# Altium PCB spider-nest.PcbDoc (continued)
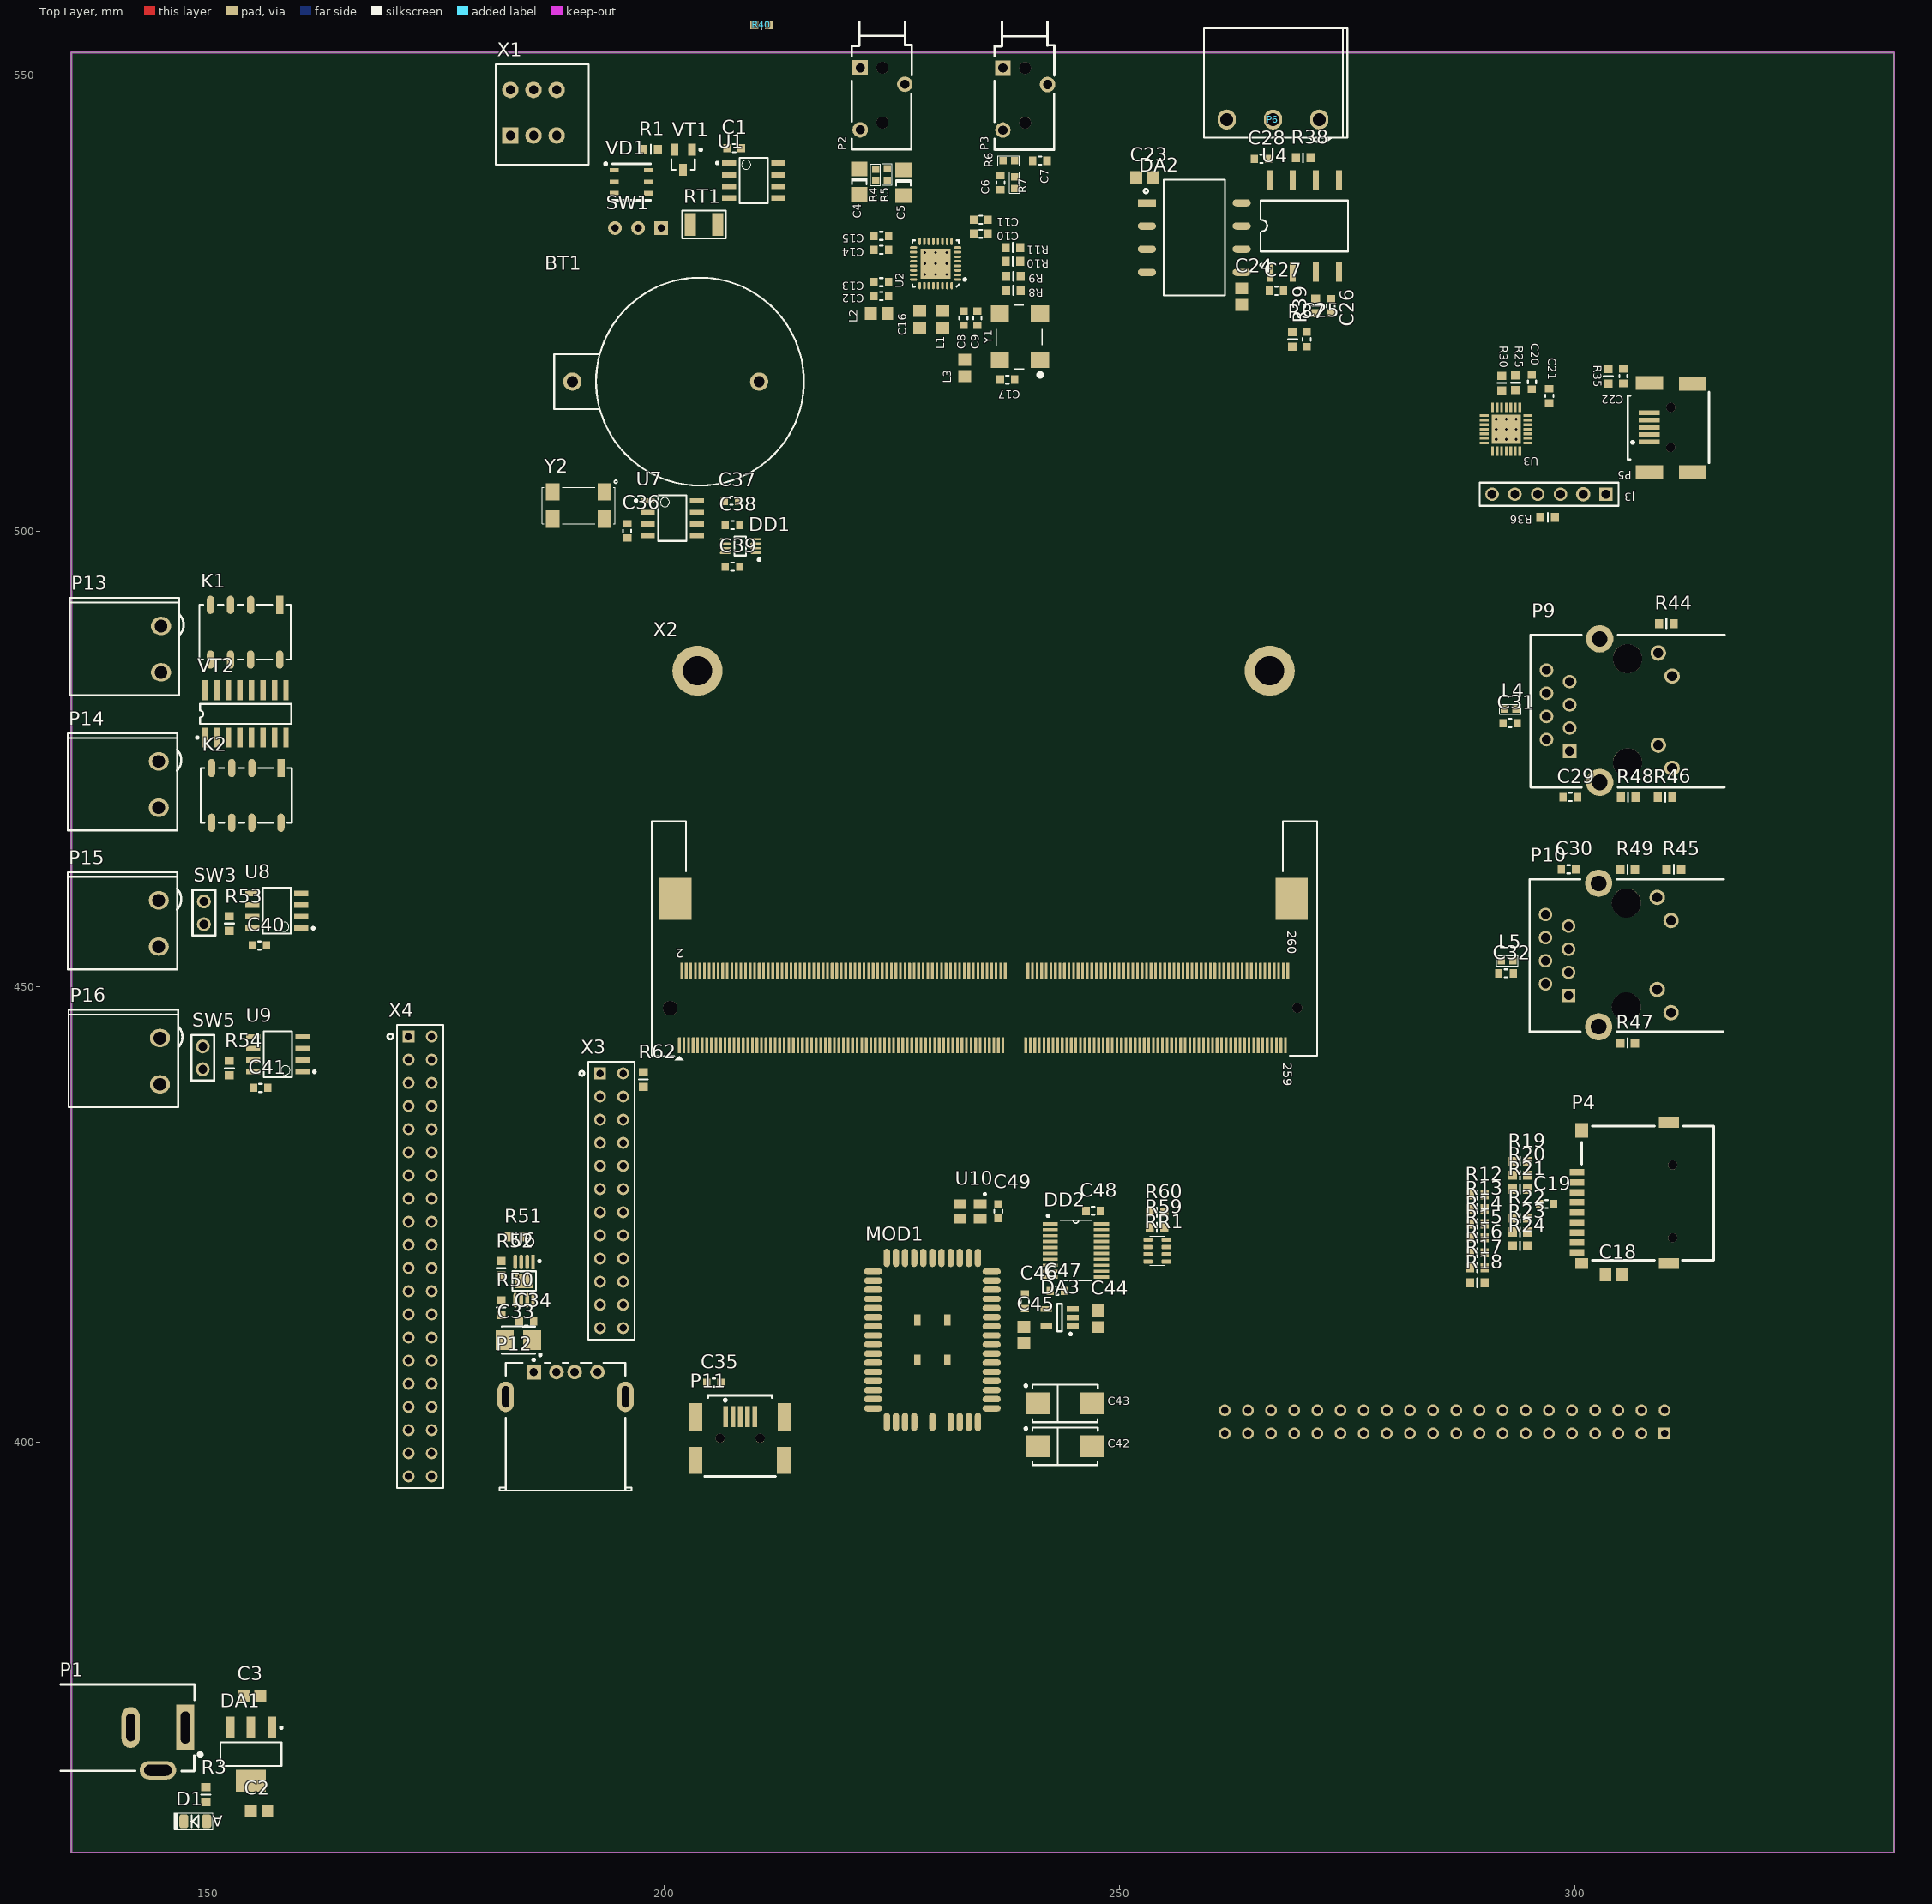
[diagram p0: Top Layer view]
## Footprints (in the part's own frame and the unit in brackets; to place one, negate y for a bottom-side part, rotate by r counter-clockwise, add the part's x,y. Pads: shape width x height; smd on the part's side, far side on the other; paste and mask are expansions set on the pad) (continued)
CAP_B [mm] "Capacitor, SM Tantalum; Body 3.5 x 2.8 mm (LxW typ)"
  rect 2x2.2 smd: 1(-1.5,0) 2(1.5,0)
  silkscreen extent -2.53,-1.5 1.85,1.75, body extent -1.83,-1.4 1.83,1.4, height 0.95
Cap_D [mm] "Capacitor, SM Tantalum; Body 7.3 x 4.3 mm (LxW typ)"
  rect 2.6x2.4 smd: 1(-3,0) 2(3,0)
  silkscreen extent -4.42,-2.06 3.61,2.08, body extent -3.65,-2.15 3.65,2.15, height 2.8
CAY16-J4 [mm]
  rrect50% 1x0.5 smd: 1(-0.4,0) 2(-0.4,-0.8) 3(-0.4,-1.6) 4(-0.4,-2.4) 5(1.6,-2.4) 6(1.6,-1.6) 7(1.6,-0.8) 8(1.6,0)
  silkscreen extent -0.2,-2.8 1.4,0.4, body extent -0.19,-2.77 1.41,0.43, height 0.55
CC1608-0603 [mil] "Chip Capacitor, 2-Leads, Body 1,6x0,8mm, IPC Medium Density"
  rect 32x36 smd: 1(-31,0) 2(31,0)
  silkscreen extent -6,-18 6,17, body extent -31,-16 32,16, height 31
CC2012-0805 [mm] "Chip Capacitor, 2-Leads, Body 2,0x1,25mm, IPC Medium Density"
  rect 1.3x1.4 smd: 1(-0.9,0) 2(0.9,0)
  body extent -1,-0.6 1,0.6, height 1.2
CC3216-1206 [mm] "Chip Capacitor; Body 3.2 x 1.6 mm (LxW typ)"
  rect 1.6x1.8 smd: 1(-1.4,0) 2(1.4,0)
  silkscreen extent -0.3,-0.8 0.3,0.8, body extent -1.6,-0.8 1.6,0.8, height 1
CHIP0603 [mm]
  rect 0.8x0.8 smd: 1(0,0) 2(1.25,0)
  silkscreen extent -0.55,-0.55 1.8,0.55, body extent -0.53,-0.5 1.75,0.51, height 0.95
"DDR4 SO_DIMM connector" [mm] "2309407-1"
  round 5.5 hole 3.2: 0(-65.8,-37) 0(-3,-37)
  rrect30% 0.3x1.75 smd mask+0.05: 1(-1.025,4.1) 2(-1.275,-4.1) 3(-1.525,4.1) 4(-1.775,-4.1) 5(-2.025,4.1) 6(-2.275,-4.1) 7(-2.525,4.1) 8(-2.775,-4.1) 9(-3.025,4.1) 10(-3.275,-4.1) 11(-3.525,4.1) 12(-3.775,-4.1) 13(-4.025,4.1) 14(-4.275,-4.1) 15(-4.525,4.1) 16(-4.775,-4.1) 17(-5.025,4.1) 18(-5.275,-4.1) 19(-5.525,4.1) 20(-5.775,-4.1) 21(-6.025,4.1) 22(-6.275,-4.1) 23(-6.525,4.1) 24(-6.775,-4.1) 25(-7.025,4.1) 26(-7.275,-4.1) 27(-7.525,4.1) 28(-7.775,-4.1) 29(-8.025,4.1) 30(-8.275,-4.1) 31(-8.525,4.1) 32(-8.775,-4.1) 33(-9.025,4.1) 34(-9.275,-4.1) 35(-9.525,4.1) 36(-9.775,-4.1) 37(-10.025,4.1) 38(-10.275,-4.1) 39(-10.525,4.1) 40(-10.775,-4.1) 41(-11.025,4.1) 42(-11.275,-4.1) 43(-11.525,4.1) 44(-11.775,-4.1) 45(-12.025,4.1) 46(-12.275,-4.1) 47(-12.525,4.1) 48(-12.775,-4.1) 49(-13.025,4.1) 50(-13.275,-4.1) 51(-13.525,4.1) 52(-13.775,-4.1) 53(-14.025,4.1) 54(-14.275,-4.1) 55(-14.525,4.1) 56(-14.775,-4.1) 57(-15.025,4.1) 58(-15.275,-4.1) 59(-15.525,4.1) 60(-15.775,-4.1) 61(-16.025,4.1) 62(-16.275,-4.1) 63(-16.525,4.1) 64(-16.775,-4.1) 65(-17.025,4.1) 66(-17.275,-4.1) 67(-17.525,4.1) 68(-17.775,-4.1) 69(-18.025,4.1) 70(-18.275,-4.1) 71(-18.525,4.1) 72(-18.775,-4.1) 73(-19.025,4.1) 74(-19.275,-4.1) 75(-19.525,4.1) 76(-19.775,-4.1) 77(-20.025,4.1) 78(-20.275,-4.1) 79(-20.525,4.1) 80(-20.775,-4.1) 81(-21.025,4.1) 82(-21.275,-4.1) 83(-21.525,4.1) 84(-21.775,-4.1) 85(-22.025,4.1) 86(-22.275,-4.1) 87(-22.525,4.1) 88(-22.775,-4.1) 89(-23.025,4.1) 90(-23.275,-4.1) 91(-23.525,4.1) 92(-23.775,-4.1) 93(-24.025,4.1) 94(-24.275,-4.1) 95(-24.525,4.1) 96(-24.775,-4.1) 97(-25.025,4.1) 98(-25.275,-4.1) 99(-25.525,4.1) 100(-25.775,-4.1) 101(-26.025,4.1) 102(-26.275,-4.1) 103(-26.525,4.1) 104(-26.775,-4.1) 105(-27.025,4.1) 106(-27.275,-4.1) 107(-27.525,4.1) 108(-27.775,-4.1) 109(-28.025,4.1) 110(-28.275,-4.1) 111(-28.525,4.1) 112(-28.775,-4.1) 113(-29.025,4.1) 114(-29.275,-4.1) 115(-29.525,4.1) 116(-29.775,-4.1) 117(-30.025,4.1) 118(-30.275,-4.1) 119(-30.525,4.1) 120(-30.775,-4.1) 121(-31.025,4.1) 122(-31.275,-4.1) 123(-31.525,4.1) 124(-31.775,-4.1) 125(-32.025,4.1) 126(-32.275,-4.1) 127(-32.525,4.1) 128(-32.775,-4.1) 129(-33.025,4.1) 130(-33.275,-4.1) 131(-33.525,4.1) 132(-33.775,-4.1) 133(-34.025,4.1) 134(-34.275,-4.1) 135(-34.525,4.1) 136(-34.775,-4.1) 137(-35.025,4.1) 138(-35.275,-4.1) 139(-35.525,4.1) 140(-35.775,-4.1) 141(-36.025,4.1) 142(-36.275,-4.1) 143(-36.525,4.1) 144(-36.775,-4.1) 145(-39.025,4.1) 146(-39.275,-4.1) 147(-39.525,4.1) 148(-39.775,-4.1) 149(-40.025,4.1) 150(-40.275,-4.1) 151(-40.525,4.1) 152(-40.775,-4.1) 153(-41.025,4.1) 154(-41.275,-4.1) 155(-41.525,4.1) 156(-41.775,-4.1) 157(-42.025,4.1) 158(-42.275,-4.1) 159(-42.525,4.1) 160(-42.775,-4.1) 161(-43.025,4.1) 162(-43.275,-4.1) 163(-43.525,4.1) 164(-43.775,-4.1) 165(-44.025,4.1) 166(-44.275,-4.1) 167(-44.525,4.1) 168(-44.775,-4.1) 169(-45.025,4.1) 170(-45.275,-4.1) 171(-45.525,4.1) 172(-45.775,-4.1) 173(-46.025,4.1) 174(-46.275,-4.1) 175(-46.525,4.1) 176(-46.775,-4.1) 177(-47.025,4.1) 178(-47.275,-4.1) 179(-47.525,4.1) 180(-47.775,-4.1) 181(-48.025,4.1) 182(-48.275,-4.1) 183(-48.525,4.1) 184(-48.775,-4.1) 185(-49.025,4.1) 186(-49.275,-4.1) 187(-49.525,4.1) 188(-49.775,-4.1) 189(-50.025,4.1) 190(-50.275,-4.1) 191(-50.525,4.1) 192(-50.775,-4.1) 193(-51.025,4.1) 194(-51.275,-4.1) 195(-51.525,4.1) 196(-51.775,-4.1) 197(-52.025,4.1) 198(-52.275,-4.1) 199(-52.525,4.1) 200(-52.775,-4.1) 201(-53.025,4.1) 202(-53.275,-4.1) 203(-53.525,4.1) 204(-53.775,-4.1) 205(-54.025,4.1) 206(-54.275,-4.1) 207(-54.525,4.1) 208(-54.775,-4.1) 209(-55.025,4.1) 210(-55.275,-4.1) 211(-55.525,4.1) 212(-55.775,-4.1) 213(-56.025,4.1) 214(-56.275,-4.1) 215(-56.525,4.1) 216(-56.775,-4.1) 217(-57.025,4.1) 218(-57.275,-4.1) 219(-57.525,4.1) 220(-57.775,-4.1) 221(-58.025,4.1) 222(-58.275,-4.1) 223(-58.525,4.1) 224(-58.775,-4.1) 225(-59.025,4.1) 226(-59.275,-4.1) 227(-59.525,4.1) 228(-59.775,-4.1) 229(-60.025,4.1) 230(-60.275,-4.1) 231(-60.525,4.1) 232(-60.775,-4.1) 233(-61.025,4.1) 234(-61.275,-4.1) 235(-61.525,4.1) 236(-61.775,-4.1) 237(-62.025,4.1) 238(-62.275,-4.1) 239(-62.525,4.1) 240(-62.775,-4.1) 241(-63.025,4.1) 242(-63.275,-4.1) 243(-63.525,4.1) 244(-63.775,-4.1) 245(-64.025,4.1) 246(-64.275,-4.1) 247(-64.525,4.1) 248(-64.775,-4.1) 249(-65.025,4.1) 250(-65.275,-4.1) 251(-65.525,4.1) 252(-65.775,-4.1) 253(-66.025,4.1) 254(-66.275,-4.1) 255(-66.525,4.1) 256(-66.775,-4.1) 257(-67.025,4.1) 258(-67.275,-4.1) 259(-67.525,4.1) 260(-67.775,-4.1)
  rect 3.5x4.6 smd mask+0.05: NC(-68.2,-12) NC(-0.6,-12)
  silkscreen extent -71,-20.5 2,5.75, body extent -71,-40 2,5, height 4.15
IM-Gull [mm] "IM Relay SMD"
  rect 2x0.8 smd: 1(0,0)
  oval 2x0.8 smd: 2(0,-3.2) 3(0,-5.4) 4(0,-7.6) 5(6,-7.6) 6(6,-5.4) 7(6,-3.2) 8(6,0)
  silkscreen extent 0,-8.8 6,1.2, body extent -0.76,-8.8 6.76,1.2, height 5.65
JUMPER_2 [mil]
  round 60 hole 38: 1(0,0) 2(98.43,0)
  silkscreen extent -49,-49 148,49, body extent -50,-48 147,49, height 335
KXO_V97 [mm]
  rect 1.8x2 smd: 1(0,0) 2(5.08,0) 3(5.08,4.4) 4(0,4.4)
  silkscreen extent -1.86,-0.23 6,4.77, body extent -0.96,-0.25 6.04,4.83, height 1.3
LED0805 [mm]
  rrect50% 1x1.5 smd: A(0,0) K(2.5,0)
  silkscreen extent -0.7,-0.92 3.55,0.92, body extent 0.24,-0.62 2.26,0.63, height 1.1
MF-USMF [mm]
  rect 1.2x2.5 smd: 1(-1.5,0) 2(1.5,0)
  silkscreen extent -2.4,-1.52 2.4,1.52, body extent -1.61,-1.29 1.61,1.29, height 0.67
"MINI-USB-B5 SMT" [mm]
  rect 2.3x0.5 smd: 1(6.25,-2.9) 2(6.25,-3.7) 3(6.25,-4.5) 4(6.25,-5.3) 5(6.25,-6.1)
  rect 3x1.5 smd: 6(1.475,-9.275) 7(6.25,-9.4) 8(6.25,0.4) 9(1.475,0.4)
  round 1 hole 1 unplated: SYSPAD10(3.9,-6.7) SYSPAD11(3.9,-2.3)
  silkscreen extent -0.3,-8.4 8.6,-0.6, body extent -1.84,-9.79 7.36,0.91, height 3.95
PJ-002A [mm] "DC POWER JACK"
  rect 5x2 hole 1 slot 3.5 at 0 deg: 1(0,0)
  oval 4.5x2 hole 1 slot 3 at 0 deg: 2(0,-6)
  oval 2x4 hole 1.2 slot 3 at 90 deg: 3(4.7,-3)
  silkscreen extent -4.72,-13.67 4.77,1.81, body extent -4.37,-13.59 4.93,0.41, height 11
PLD-24 [mm]
  rect 1.3x1.3 hole 0.8: 1(0,0)
  round 1.3 hole 0.8: 2(2.54,0) 3(0,-2.54) 4(2.54,-2.54) 5(0,-5.08) 6(2.54,-5.08) 7(0,-7.62) 8(2.54,-7.62) 9(0,-10.16) 10(2.54,-10.16) 11(0,-12.7) 12(2.54,-12.7) 13(0,-15.24) 14(2.54,-15.24) 15(0,-17.78) 16(2.54,-17.78) 17(0,-20.32) 19(0,-22.86) 20(2.54,-22.86) 21(0,-25.4) 22(2.54,-25.4) 23(0,-27.94) 24(2.54,-27.94) 28(2.54,-20.32)
  silkscreen extent -2.25,-29.21 3.81,1.27, body extent -1.27,-29.21 3.81,1.27, height 9
PLD-40 [mm]
  rect 1.3x1.3 hole 0.8: 1(0,0)
  round 1.3 hole 0.8: 2(2.54,0) 3(0,-2.54) 4(2.54,-2.54) 5(0,-5.08) 6(2.54,-5.08) 7(0,-7.62) 8(2.54,-7.62) 9(0,-10.16) 10(2.54,-10.16) 11(0,-12.7) 12(2.54,-12.7) 13(0,-15.24) 14(2.54,-15.24) 15(0,-17.78) 16(2.54,-17.78) 17(0,-20.32) 18(2.54,-20.32) 19(0,-22.86) 20(2.54,-22.86) 21(0,-25.4) 22(2.54,-25.4) 23(0,-27.94) 24(2.54,-27.94) 25(0,-30.48) 26(2.54,-30.48) 27(0,-33.02) 28(2.54,-33.02) 29(0,-35.56) 30(2.54,-35.56) 31(0,-38.1) 32(2.54,-38.1) 33(0,-40.64) 34(2.54,-40.64) 35(0,-43.18) 36(2.54,-43.18) 37(0,-45.72) 38(2.54,-45.72) 39(0,-48.26) 40(2.54,-48.26)
  silkscreen extent -2.3,-49.53 3.81,1.27, body extent -1.27,-49.53 3.81,1.27, height 9
pls-3 [mm]
  rect 1.5x1.5 hole 0.8: 1(0,0)
  round 1.5 hole 0.8: 2(0,-2.54) 3(0,-5.08)
  body extent -1.29,-6.31 1.25,1.31, height 8.54
pls-6 [mm]
  rect 1.48x1.48 hole 0.98: 1(0,0)
  round 1.6 hole 0.98: 2(0,-2.5)
  round 1.48 hole 0.98: 3(0,-5) 4(0,-7.5) 5(0,-10) 6(0,-12.5)
  silkscreen extent -1.27,-13.84 1.27,1.4, body extent -1.15,-13.72 1.12,1.28, height 8
PSD-xxxxELF [mm]
  rect 2x0.8 smd: 1(0,0)
  oval 2x0.8 smd: 2(0,-2.54) 3(0,-5.08) 4(0,-7.62) 5(10.4,-7.62) 6(10.4,-5.08) 7(10.4,-2.54) 8(10.4,0)
  silkscreen extent -0.32,-10.16 8.56,2.54, body extent -0.39,-10.16 10.81,2.54, height 6.25
PW20 [mil]
  rect 66x14 smd: 1(-111,115.16) 2(-111,89.57) 3(-111,63.98) 4(-111,38.39) 5(-111,12.8) 6(-111,-12.8) 7(-111,-38.39) 8(-111,-63.98) 9(-111,-89.57) 10(-111,-115.16) 11(111,-115.16) 12(111,-89.57) 13(111,-63.98) 14(111,-38.39) 15(111,-12.8) 16(111,12.8) 17(111,38.39) 18(111,63.98) 19(111,89.57) 20(111,115.16)
  silkscreen extent -125,-130 68,155, body extent -126,-128 126,128, height 38
QFN5X5-32 [mm] "Quad Flat No Lead; 32 Terminals; Body 5 x 5 mm; Pitch 0.5 mm"
  oval 0.28x0.8 smd: 1(-1.75,-2.425) 2(-1.25,-2.425) 3(-0.75,-2.425) 4(-0.25,-2.425) 5(0.25,-2.425) 6(0.75,-2.425) 7(1.25,-2.425) 8(1.75,-2.425) 17(1.75,2.425) 18(1.25,2.425) 19(0.75,2.425) 20(0.25,2.425) 21(-0.25,2.425) 22(-0.75,2.425) 23(-1.25,2.425) 24(-1.75,2.425)
  oval 0.8x0.28 smd: 9(2.425,-1.75) 10(2.425,-1.25) 11(2.425,-0.75) 12(2.425,-0.25) 13(2.425,0.25) 14(2.425,0.75) 15(2.425,1.25) 16(2.425,1.75) 25(-2.425,1.75) 26(-2.425,1.25) 27(-2.425,0.75) 28(-2.425,0.25) 29(-2.425,-0.25) 30(-2.425,-0.75) 31(-2.425,-1.25) 32(-2.425,-1.75)
  rect 3.3x3.3 smd: 33(0,0)
  silkscreen extent -2.55,-3.33 2.55,2.55, body extent -2.51,-2.51 2.51,2.51, height 0.8
QFN28-0.5 [mm]
  rect 1x0.3 smd: 1(0,0) 2(0,-0.5) 3(0,-1) 4(0,-1.5) 5(0,-2) 6(0,-2.5) 7(0,-3) 15(4.8,-3) 16(4.8,-2.5) 17(4.8,-2) 18(4.8,-1.5) 19(4.8,-1) 20(4.8,-0.5) 21(4.8,0)
  rect 0.3x1 smd: 8(0.9,-3.9) 9(1.4,-3.9) 10(1.9,-3.9) 11(2.4,-3.9) 12(2.9,-3.9) 13(3.4,-3.9) 14(3.9,-3.9) 22(3.9,0.9) 23(3.4,0.9) 24(2.9,0.9) 25(2.4,0.9) 26(1.9,0.9) 27(1.4,0.9) 28(0.9,0.9)
  rect 3.2x3.2 smd: 29(2.4,-1.5)
  body extent -0.14,-4 4.9,1.04, height 0.9
R-PDSO-G8 [mm]
  rect 1.6x0.4 smd: 1(0,0)
  oval 1.6x0.4 smd: 2(0,-0.65) 3(0,-1.3) 4(0,-1.95) 5(4.2,-1.95) 6(4.2,-1.3) 7(4.2,-0.65) 8(4.2,0)
  rect 1.57x1.89 smd: 9(2.1,-0.975)
  silkscreen extent -0.2,-2.28 3.17,0.83, body extent 0.45,-2.75 3.73,0.8, height 1.1
RESC1608X55N [mm] "Chip Resistor, EIA 0603, Metric 1608, Body 1.6x0.8mm, IPC Medium Density"
  rect 0.9x1 smd: 1(-0.8,0) 2(0.8,0)
  silkscreen extent 0,-0.5 0,0.5, body extent -0.87,-0.47 0.88,0.48, height 0.55
SO-G3 [mm] "SOT-23; 3 Leads; Body 3.0 x 2.6 mm, inc. leads (LxW max)"
  rect 0.85x1.3 smd: 1(-0.95,-1.1) 2(0.95,-1.1) 3(0,1.1)
  silkscreen extent -2.05,-1.22 1.28,1.1, body extent -1.5,-1.25 1.5,1.25, height 1.15
SO-G8/Z10.8 [mm] "Small Outline; 8 Leads; Body Width 6.4 mm; Pitch 2.54 mm"
  rect 0.65x2.2 smd: 1(-3.81,-5) 2(-1.27,-5) 3(1.27,-5) 4(3.81,-5) 5(3.81,5) 6(1.27,5) 7(-1.27,5) 8(-3.81,5)
  silkscreen extent -4.81,-4.42 4.8,2.8, body extent -4.83,-4.83 4.83,4.83, height 4.79
SO-G16 [mm] "Small Outline; 16 Leads; Body Width 3.9 mm; Pitch 1.27 mm"
  rect 0.6x2.2 smd: 1(-4.445,-2.6) 2(-3.175,-2.6) 3(-1.905,-2.6) 4(-0.635,-2.6) 5(0.635,-2.6) 6(1.905,-2.6) 7(3.175,-2.6) 8(4.445,-2.6) 9(4.445,2.6) 10(3.175,2.6) 11(1.905,2.6) 12(0.635,2.6) 13(-0.635,2.6) 14(-1.905,2.6) 15(-3.175,2.6) 16(-4.445,2.6)
  silkscreen extent -5.42,-2.72 5,1.1, body extent -4.95,-3 4.95,3, height 1.4
SOIC127P600X175-8N [mm] "SOIC 8, Pitch 1.27mm - Body 4x5mm, IPC Medium Density"
  rect 1.55x0.6 smd: 1(-2.7,1.905) 2(-2.7,0.635) 3(-2.7,-0.635) 4(-2.7,-1.905) 5(2.7,-1.905) 6(2.7,-0.635) 7(2.7,0.635) 8(2.7,1.905)
  silkscreen extent -4.12,-2.5 1.55,2.5, body extent -3.1,-2.5 3.1,2.5, height 1.75
SOIC-8-OPTOCOUPLER [mm] "SOIC 8, Pitch 1.27mm - Body 4x5mm, IPC Medium Density"
  rect 1.55x0.6 smd: 1(-2.7,1.905) 2(-2.7,0.635) 3(-2.7,-0.635) 4(-2.7,-1.905) 5(2.7,-1.905) 6(2.7,-0.635) 7(2.7,0.635) 8(2.7,1.905)
  silkscreen extent -4.13,-2.5 1.55,2.5, body extent -3.06,-2.53 2.95,2.47, height 3.33
SOP127P600-8N [mm]
  oval 1.2x0.25 smd mask+0.05: 1(-1.675,0.75) 2(-1.675,0.25) 3(-1.675,-0.25) 4(-1.675,-0.75) 5(1.675,-0.75) 6(1.675,-0.25) 7(1.675,0.25) 8(1.675,0.75)
  silkscreen extent -2.15,-1.05 0.67,1.62, body extent -1.55,-1.05 1.55,1.05, height 0.9
SOT95P280X145-5N [mm] "SOT23, 5-Leads, Body 3,0x3,0mm (max), Pitch 0,95mm, IPC Medium Density"
  rect 1.3x0.6 smd: 1(-1.45,0.95) 2(-1.45,0) 3(-1.45,-0.95) 4(1.45,-0.95) 5(1.45,0.95)
  silkscreen extent -1.33,-1.5 0.25,1.92, body extent -1.33,-1.5 1.17,1.5, height 1.15
SOT230P700X160-4N [mm] "SOT223, 4-Leads, Body 6,7x7,3mm (max), Pitch 2,30mm, IPC Medium Density"
  rect 2.4x0.95 smd: 1(-2.9,2.3) 2(-2.9,0) 3(-2.9,-2.3)
  rect 2.4x3.3 smd: 4(2.9,0)
  silkscreen extent -3.02,-3.35 1.3,3.45, body extent -3.48,-3.35 3.48,3.35, height 1.7
SOT363-6L [mm] "SOT363, 6-Leads, Body 2x1.3mm, Pitch 0.65mm, Lead Span 2.1mm, IPC High Density"
  rect 0.65x0.4 smd: 1(-0.95,0.65) 2(-0.95,0) 3(-0.95,-0.65) 4(0.95,-0.65) 5(0.95,0) 6(0.95,0.65)
  silkscreen extent -1.07,-1.1 0.25,1.52, body extent -1.15,-1.05 1.15,1.05, height 1
SWT-32 [mm] "SMD tact swicht"
  rect 1.4x1.6 smd: 1(0,0) 2(0,8.2) 3(4.5,8.2) 4(4.5,0)
  silkscreen extent -0.8,1.1 5.28,7.12, body extent -0.71,-0.31 5.29,8.69, height 5
TB-07B [mm]
  rect 1.8x1.8 hole 1: 1(0,0)
  round 1.8 hole 1: 2(5,0) 3(0,-2.54) 4(5,-2.54) 5(0,-5.08) 6(5,-5.08)
  silkscreen extent -3.2,-8.6 7.8,1.6, body extent -3.2,-8.6 7.8,1.6, height 12.6
TE_282814-2 [mm]
  oval 2x2.2 hole 1.4: 1(0,0) 2(5.08,0)
  silkscreen extent -3.08,-10 7.58,2.47, body extent -3.17,-10.03 7.49,1.97, height 8.5
TE_282814-3 [mm]
  oval 2x2.2 hole 1.4: 1(0,0) 2(5.08,0) 3(10.16,0)
  silkscreen extent -3.08,-10 12.66,2.47, body extent -3.04,-9.94 12.7,2.06, height 8.5
TFC08WP01F-A-R1K-H [mm]
  rect 0.7x1.6 smd paste+0 mask+0.064: 1(0,0) 2(-1.1,0) 3(-2.2,0) 4(-3.3,0) 5(-4.4,0) 6(-5.5,0) 7(-6.6,0) 8(-7.7,0) 9(-8.8,0)
  rect 1.2x1.4 smd paste+0 mask+0.064: 10(-10,-0.5)
  rect 1.2x2.2 smd paste+0 mask+0.064: 11(-10,-10.1) 12(5.5,-10.1)
  rect 1.6x1.4 smd paste+0 mask+0.064: 13(4.6,-0.5)
  round 1 hole 1 unplated: free(-7.18,-10.5) free(0.8,-10.5)
  silkscreen extent -9.65,-15 5.08,-0.51, body extent -9.65,-14.99 5.08,-0.51, height 1.8
tiwi-r2 [mm]
  oval 2x0.7 smd: 1(-6.533,7.688) 2(-6.533,6.688) 3(-6.533,5.688) 4(-6.533,4.688) 5(-6.533,3.688) 6(-6.533,2.688) 7(-6.533,1.688) 8(-6.533,0.688) 9(-6.533,-0.312) 10(-6.533,-1.312) 11(-6.533,-2.312) 12(-6.533,-3.312) 13(-6.533,-4.312) 14(-6.533,-5.312) 15(-6.533,-6.312) 16(-6.533,-7.312) 28(6.467,-7.312) 29(6.467,-6.312) 30(6.467,-5.312) 31(6.467,-4.312) 32(6.467,-3.312) 33(6.467,-2.312) 34(6.467,-1.312) 35(6.467,-0.312) 36(6.467,0.688) 37(6.467,1.688) 38(6.467,2.688) 39(6.467,3.688) 40(6.467,4.688) 41(6.467,5.688) 42(6.467,6.688) 43(6.467,7.688)
  oval 0.7x2 smd: 17(-5.033,-8.812) 18(-4.033,-8.812) 19(-3.033,-8.812) 20(-2.033,-8.812) 21(-1.033,-8.812) 22(-0.033,-8.812) 23(0.967,-8.812) 24(1.967,-8.812) 25(2.967,-8.812) 26(3.967,-8.812) 27(4.967,-8.812) 44(4.967,9.188) 45(3.967,9.188) 46(2.967,9.188) 47(1.967,9.188) 48(-0.033,9.188) 49(-2.033,9.188) 50(-3.033,9.188) 51(-4.033,9.188) 52(-5.033,9.188)
  rect 0.7x1.2 smd: 53(-1.683,2.388) 54(1.617,2.388) 55(1.617,-2.012) 56(-1.683,-2.012)
  body extent -6.53,-8.81 6.57,9.19, height 1.9
TRJ0011ABNL [mm] "TRJ0011ABNL RJ-45 magnet"
  round 3.2 hole 3.2 unplated: 0(-1.27,-6.35) 0(10.16,-6.35)
  rect 1.5x1.5 hole 1: 1(0,0)
  round 1.5 hole 1: 2(1.27,2.54) 3(2.54,0) 4(3.81,2.54) 5(5.08,0) 6(6.35,2.54) 7(7.62,0) 8(8.89,2.54)
  round 1.7 hole 1.1: 9(-1.88,-11.25) 10(0.66,-9.73) 11(8.23,-11.25) 12(10.77,-9.73)
  round 3 hole 1.7: 13(-3.43,-3.3) 14(12.32,-3.3)
  silkscreen extent -3.98,-17.02 12.75,4.28, body extent -3.34,-14.51 12.22,4.06, height 11.48
tsoc6 [mm]
  rect 1x0.5 smd: 1(0,0) 2(0,-1.27) 3(0,-2.54) 4(3.76,-2.54) 5(3.76,-1.27) 6(3.76,0)
  silkscreen extent -1.08,-3.3 4,0.84, body extent -0.2,-3.3 4,0.7, height 1.4
USB2.5-2H4C [mm] "Connector; USB1.1, Type A, Thru-Hole; 4 Position; Right Angle"
  rect 1.6x1.6 hole 0.92: 1(-12.99,-3.5)
  round 1.6 hole 0.92: 2(-12.99,-1) 3(-12.99,1) 4(-12.99,3.5)
  oval 3.34x1.8 hole 0.8 slot 2.34 at 0 deg: 5(-10.28,6.57) 6(-10.28,-6.57)
  silkscreen extent -14.46,-7.25 0,7.25, body extent -14,-7.9 0.13,7.9, height 7.55

## Part data
BT1: "CR2032 battery holder"
C33: library part Cap_B, "Tantalum Capacitor Case D"
C42 C43: "Tantalum Capacitor Case D"
D1 D2 D3 D4 D5: "LED 0805"
DA1: "800mA Low-Dropout Linear Regulator"
DA2: "single output isolated DC/DC converter"
DA3: "Cap-Free, NMOS, 150mA LDO"
DD1: "2bit Bidirectional voltage translator"
DD2: "Imported"
J3: "CONN HEADER 6POS, VERTICAL,  .100 STR TIN"
K1 K2: "Signal Relay; Coil Voltage VDC Nom:4.5V"
L1 L2 L3: "Ferrite bead"
L4 L5: "Chip EMIFILr Inductor Type"
MOD1: "TiWi-R2 with u.fl Module"
P1: "DC POWER JACK"
P2 P3: "Audio connector mini-jack 3.5mm, 3 pins"
P4: library part TFC08WP01F-R1K-H-CN, "Connector for microSD™ Card (Push-push Type)"
P5 P11: "Mini USB Type B CONNECTOR"
P6 P7 P8 P13 P14 P15 P16: "Terminal Block Connectors"
P9 P10: "RJ-45 10/100 W/Magnetics"
P12: "USB Type A Connectors"
Q1 Q2: "Transistor Silicon NPN"
R4 R5 R6 R7: "Resistor 0603"
RR1: "Resistor network 4x"
RT1: "PTC Resettable Fuses"
S1 S2 S3: library part SWT-32, "Push button"
SW1 SW2: "PLS-3 2.54mm pin connector"
SW3 SW5: "Jumper 2-pin 2.54mm"
U1: "I2C - 1-Wire master single channel"
U2: "LOW-POWER STEREO AUDIO CODEC FOR PORTABLE AUDIO/TELEPHONY"
U3: "USB UART convertor"
U4: "ISOLATED CAN TRANSCEIVER"
U5: "Optocoupler, Phototransistor Output, Dual Channel"
U6: "CURRENT-LIMITED, POWER-DISTRIBUTION SWITCHES"
U7: "I2C Real-Time Clock"
U8 U9: "RS-485 Half-Duplex transceiver"
U10: "32.768KHZ 1.8V oscillator"
VD1: "ESD Protection Diode with Resistors"
VT1: "P-FET transistor in SOT-23-3 package"
VT2: "DARLINGTON TRANSISTOR ARRAYS"
X1: "Terminal Block 3 pos"
X2: "DDR4 edge memory SO-DIMM connector, 260 pin"
X3: library part HDR12x2
X4 X5: library part HDR20x2
Y1: "Quartz oscillator 7x5mm"
Y2: "CRYSTAL 32.768KHZ 12.5PF SMD"

## Via types
v1: diameter 0.8, hole 0.3, Top Layer to Bottom Layer, tented top, 9 vias
v2: diameter 0.8, hole 0.3, Top Layer to Bottom Layer, 9 vias
v3: diameter 0.4, hole 0.2, Top Layer to Bottom Layer, 5 vias
v4: diameter 1.1, hole 1.1, Top Layer to Bottom Layer, 1 vias
v5: diameter 1.6, hole 1.6, Top Layer to Bottom Layer, 1 vias

## Nets (pads, with @x,y where several pads share a name; then routed paths per layer and width w, separated by ;. In a path a pad name is that pad's centre, name@x,y a point inside that pad or via, vN(x,y) a via of type N, cw(c..) or ccw(c..) an arc to the next point about the centre after c; other vN are vias at no path point)
1V8: C45.2 C47.2 C49.1 DA3.5 DD2.2 DD2.10 MOD1.11 U10.4
1W: U1.2 VD1.6 VT1.3
1WD: VD1.1 X1.3
1WG: VD1.2 X1.5
3V3_SYS: C2.2 C10.1 C11.1 C17.1 C21.1 C27.1 C38.1 C40.1 C41.1 C42.1 C43.1 C48.2 DA1.4 DD1.3 DD1.6 DD2.19 L2.1 MOD1.1 R2.1 R25.2 R26.2 R27.2 R28.2 R29.2 R36.2 R40.2 R42.2 R50.2 U2.7 U3.6 U3.7 U4.1 U8.8 U9.8 X4.1 X4.17 X5.31 Y1.4
5VDC: C1.1 C3.2 C23.2 C37.2 C39.1 C44.2 DA1.3 DA2.2 DA3.1 DA3.3 DD1.7 K1.1 K2.1 P1.1 R1.2 R3.2 R41.1 R43.1 R51.2 R62.1 RT1.1 U1.1 U6.2 U6.3 U7.8 VT2.9 X3.1 X4.2 X4.4 X5.39
A.SDIO_CLK: DD2.20 R60.2
A.SDIO_CMD: DD2.18 R59.2
A.SDIO_D0: DD2.17 RR1.5
A.SDIO_D1: DD2.16 RR1.6
A.SDIO_D2: DD2.15 RR1.7
A.SDIO_D3: DD2.14 RR1.8
AGND: C7.1 C12.2 C13.2 C14.2 C15.2 C16.1 L1.2 P2.1 P3.1 R4.1 R5.1 U2.17 U2.21 U2.26
AIC_1V8: C8.1 C9.1 L3.2 U2.32
AVDD: C12.1 C13.1 C14.1 C15.1 C16.2 L2.2 U2.18 U2.24 U2.25
CAM1_SRCCLK: R61.2 X3.23
DCAN1_RX: C25.1 R37.2 X2.152
DCAN1_TX: R39.2 X2.150
DGND: C18.1 C19.2
DIN1: R40.1 U5.8 X2.136
DIN2: R42.1 U5.6 X2.138
EARTH: C22.1 C29.1 C30.1 P4.11 P4.12 P4.13 P5.6 P5.7 P5.8 P5.9 P9.13 P9.14 P10.13 P10.14 P11.6 P11.7 P11.8 P11.9 P12.5 P12.6 R35.1 R48.2 R49.2
ETH1_ALINK: P9.9 X2.230
ETH1_RX_N: P9.6 X2.220
ETH1_RX_P: P9.3 X2.222
ETH1_speed100: P9.12 X2.232
ETH1_TX_N: P9.2 X2.226
ETH1_TX_P: P9.1 X2.228
ETH2_ALINK: P10.9 X2.258
ETH2_RX_N: P10.6 X2.248
ETH2_RX_P: P10.3 X2.250
ETH2_speed100: P10.12 X2.260
ETH2_TX_N: P10.2 X2.254
ETH2_TX_P: P10.1 X2.256
GND: BT1.2 C1.2 C2.1 C3.1 C8.2 C9.2 C10.2 C11.2 C17.2 C20.2 C21.2 C22.2 C23.1 C25.2 C26.2 C27.2 C29.2 C30.2 C31.2 C32.2 C33.2 C34.1 C35.2 C36.2 C37.1 C38.2 C39.2 C40.2 C41.2 C42.2 C43.2 C44.1 C45.1 C46.1 C47.1 C48.1 C49.2 D1.K DA1.1 DA2.1 DA3.2 DD1.2 DD2.11 J3.1 L1.1 MOD1.5 MOD1.6 MOD1.12 MOD1.24 MOD1.26 MOD1.27 MOD1.29 MOD1.30 MOD1.44 MOD1.45 MOD1.46 MOD1.47 MOD1.49 MOD1.50 MOD1.51 MOD1.52 MOD1.53 MOD1.54 MOD1.55 MOD1.56 P1.2 P4.6 P4.10 P5.5 P7.2 P8.2 P9.8 P10.8 P11.5 P12.4 Q1.1 Q1.4 Q2.1 Q2.4 R30.2 R31.1 R32.1 R33.1 R34.1 R35.2 R44.1 R45.1 R46.1 R47.1 R48.1 R49.1 R52.1 S2.1 S3.1 S3.2 SW1.3 SW2.3 U1.3 U1.7 U1.8 U2.6 U2.33 U3.3 U3.29 U4.4 U5.5 U5.7 U6.1 U6.9 U7.4 U8.5 U9.5 U10.2 VD1.5 VT2.8 X2.7 X2.8 X2.9 X2.10 X2.11 X2.12 X2.15 X2.16 X2.19 X2.20 X2.76 X2.77 X2.94 X2.104 X2.107 X2.110 X2.119 X2.120 X2.129 X2.130 X2.132 X2.134 X2.153 X2.158 X2.164 X2.167 X2.172 X2.178 X2.206 X2.212 X2.218 X2.224 X2.234 X2.240 X2.246 X2.252 X3.11 X3.12 X3.21 X4.6 X4.9 X4.14 X4.20 X4.25 X4.30 X4.34 X4.39 X5.32 X5.37 Y1.2
  other v1: 228.634,528.15 229.834,528.15 231.034,528.15 228.634,529.35 229.834,529.35 231.034,529.35 228.634,530.55 229.834,530.55 231.034,530.55
  other v2: 291.336,510.069 292.436,510.069 293.536,510.069 291.336,511.169 292.436,511.169 293.536,511.169 291.336,512.269 292.436,512.269 293.536,512.269
  other v3: 184.029,417.244 185.329,417.244 184.679,417.719 184.029,418.219 185.329,418.219
GND_CAN: C24.1 C28.2 DA2.4 P6.2 U4.5
HPLO: C4.2 U2.19
HPLOUT: C4.1 P2.3 R4.2
HPRO: C5.2 U2.23
HPROUT: C5.1 P2.2 R5.2
I2C0_SCL: X2.108 X3.22 X5.29
I2C0_SDA: X2.106 X3.24 X5.30
I2C2_SCL: DD1.4 U2.8 X2.128 X4.5
I2C2_SCL_5V: DD1.1 U1.4 U7.6 X4.28
I2C2_SDA: DD1.5 U2.9 X2.126 X4.3
I2C2_SDA_5V: DD1.8 U1.5 U7.5 X4.27
MMC0_CLK: R22.2 X2.245
MMC0_CMD: R21.2 X2.255
MMC0_DAT0: R23.2 X2.247
MMC0_DAT1: R24.2 X2.253
MMC0_DAT2: R19.2 X2.251
MMC0_DAT3: R20.2 X2.249
MMC0_SDCD: P4.9 R18.1 X2.257
NetBT1_1: BT1.1 C36.1 U7.3
NetC6_1: C6.1 P3.2 P3.3 R6.1
NetC6_2: C6.2 U2.14 U2.16
NetC7_2: C7.2 R6.2 R7.1
NetC20_1: C20.1 P5.1 U3.8
NetC26_1: C26.1 R39.1 U4.3
NetC31_1: C31.1 L4.2 P9.4 P9.5
NetC32_1: C32.1 L5.2 P10.4 P10.5
NetC46_2: C46.2 DA3.4
NetD1_A: D1.A R3.1
NetD2_A: D2.A R26.1
NetD2_K: D2.K Q1.6
NetD3_A: D3.A R27.1
NetD3_K: D3.K Q1.3
NetD4_A: D4.A R28.1
NetD4_K: D4.K Q2.6
NetD5_A: D5.A R29.1
NetD5_K: D5.K Q2.3
NetDD2_1: DD2.1 MOD1.18
NetDD2_3: DD2.3 MOD1.17
NetDD2_4: DD2.4 MOD1.16
NetDD2_5: DD2.5 MOD1.15
NetDD2_6: DD2.6 MOD1.14
NetDD2_7: DD2.7 MOD1.13
NetDD2_8: DD2.8 MOD1.10
NetDD2_9: DD2.9 MOD1.4
NetK1_3: K1.3 P13.1
NetK1_4: K1.4 P13.2
NetK1_8: K1.8 VT2.16
NetK2_2: K2.2 P14.1
NetK2_3: K2.3 P14.2
NetK2_8: K2.8 VT2.15
NetMOD1_19: MOD1.19 U10.3
NetP6_1: P6.1 R38.1 U4.6
NetP6_3: P6.3 R38.2 U4.7
NetP7_1: P7.1 U5.2
NetP8_1: P8.1 U5.4
NetP9_10: P9.10 R46.2
NetP9_11: P9.11 R44.2
NetP10_10: P10.10 R47.2
NetP10_11: P10.11 R45.2
NetR1_1: R1.1 VT1.2
NetR7_2: R7.2 U2.15
NetR8_1: R8.1 X2.139
NetR8_2: R8.2 U2.2
NetR9_1: R9.1 X2.140
NetR9_2: R9.2 U2.3
NetR10_1: R10.1 X2.141
NetR10_2: R10.2 U2.4
NetR11_1: R11.1 X2.142
NetR11_2: R11.2 U2.5
NetR25_1: R25.1 U3.9
NetR30_1: R30.1 U3.11
NetR37_1: R37.1 U4.2
NetR41_2: R41.2 U5.1
NetR43_2: R43.2 U5.3
NetR53_2: R53.2 SW3.2
NetR54_2: R54.2 SW5.2
NetR59_1: R59.1 X2.241
NetR60_1: R60.1 X2.243
NetR61_1: R61.1 U2.1 X2.165 Y1.3
NetRR1_1: RR1.1 X2.237
NetRR1_2: RR1.2 X2.239
NetRR1_3: RR1.3 X2.231
NetRR1_4: RR1.4 X2.227
NetRT1_2: RT1.2 SW1.1
NetS1_3: S1.3 SW2.2
NetSW1_2: SW1.2 X1.1
NetU1_6: U1.6 VT1.1
NetU7_1: U7.1 Y2.1
NetU7_2: U7.2 Y2.4
NetU8_1: U8.1 X2.155
NetU8_4: U8.4 X2.159
NetU9_1: U9.1 X2.147
NetU9_2: U9.2 U9.3 X2.145
NetU9_4: U9.4 X2.151
NetX2_65: X2.65
NetX2_67: X2.67
NetX2_69: X2.69
NetX2_70: X2.70
NetX2_71: X2.71
NetX2_73: X2.73
NetX2_75: X2.75
NetX2_78: X2.78 X5.34
NetX2_79: X2.79 X3.9
NetX2_80: X2.80 X5.36
NetX2_81: X2.81 X3.7
NetX2_82: X2.82 X5.38
NetX2_83: X2.83 X3.13
NetX2_84: X2.84 X5.40
NetX2_85: X2.85 X3.15
NetX2_86: X2.86
NetX2_87: X2.87 X3.17
NetX2_88: X2.88
NetX2_89: X2.89 X3.6
NetX2_90: X2.90
NetX2_91: X2.91 X3.8
NetX2_92: X2.92
NetX2_93: X2.93 X3.5
NetX2_95: X2.95 X3.2
NetX2_97: X2.97 X3.3
NetX2_99: X2.99 X3.10
NetX2_101: X2.101 X3.4
NetX2_103: X2.103 X3.20
NetX2_105: X2.105 X3.19
NetX2_112: X2.112
NetX2_113: X2.113
NetX2_114: X2.114
NetX2_116: X2.116
NetX2_118: X2.118
NetX2_122: X2.122
NetX2_124: X2.124
NetX2_131: X2.131 X4.19
NetX2_133: X2.133 X4.23
NetX2_135: X2.135 X4.21
NetX2_137: X2.137 X4.24
NetX2_149: X2.149 X4.26
NetX2_154: X2.154
NetX2_156: X2.156
NetX2_157: X2.157
NetX2_160: X2.160 X5.33
NetX2_162: X2.162 X5.35
NetX2_163: X2.163 X4.12
NetX2_166: X2.166 X4.10
NetX2_168: X2.168 X4.8
NetX2_169: X2.169 X5.25
NetX2_170: X2.170
NetX2_171: X2.171 X5.4
NetX2_173: X2.173 X5.26
NetX2_174: X2.174
NetX2_175: X2.175 X5.28
NetX2_176: X2.176
NetX2_177: X2.177 X5.7
NetX2_179: X2.179 X5.8
NetX2_180: X2.180
NetX2_181: X2.181 X5.16
NetX2_182: X2.182
NetX2_183: X2.183 X5.1
NetX2_184: X2.184
NetX2_185: X2.185 X5.27
NetX2_186: X2.186
NetX2_187: X2.187 X5.14
NetX2_188: X2.188
NetX2_189: X2.189 X5.3
NetX2_190: X2.190
NetX2_191: X2.191 X5.13
NetX2_192: X2.192
NetX2_193: X2.193 X5.15
NetX2_194: X2.194
NetX2_195: X2.195 X5.12
NetX2_196: X2.196
NetX2_197: X2.197 X5.11
NetX2_198: X2.198
NetX2_199: X2.199 X5.2
NetX2_200: X2.200
NetX2_201: X2.201 X5.10
NetX2_202: X2.202
NetX2_203: X2.203 X5.9
NetX2_204: X2.204
NetX2_205: X2.205 X5.17
NetX2_207: X2.207 X5.18
NetX2_209: X2.209 X5.20
NetX2_211: X2.211 X5.6
NetX2_213: X2.213 X5.5
NetX2_215: X2.215 X5.19
NetX2_217: X2.217 X5.23
NetX2_219: X2.219 X5.22
NetX2_221: X2.221 X5.24
NetX2_223: X2.223 X5.21
NetX2_225: X2.225
NetX2_229: X2.229
NetX2_259: X2.259
PWR_BUT: S3.3 S3.4 X2.25
Relay1: VT2.1 X2.143
Relay2: VT2.2 X2.144
RS1A: P15.1 SW3.1 U8.6
RS1B: P15.2 R53.1 U8.7
RS2A: P16.1 SW5.1 U9.6
RS2B: P16.2 R54.1 U9.7
SD_CLK: P4.5 R15.1 R22.1
SD_CMD: P4.3 R14.1 R21.1
SD_D0: P4.7 R16.1 R23.1
SD_D1: P4.8 R17.1 R24.1
SD_D2: P4.1 R12.1 R19.1
SD_D3: P4.2 R13.1 R20.1
SYS_BOOT2: S1.1
SYS_RESETn: S2.3 S2.4 U2.31 X2.68
TXDEN0: U8.2 U8.3 X2.161
UART0_RX: J3.4 R36.1 U3.26 X2.146
UART0_TX: J3.5 U3.25 X2.148
USB0_D_N: P11.2 X2.109
USB0_D_P: P11.3 X2.111
USB0_ID: P11.4 X2.115
USB0_VBUS: C35.1 P11.1 X2.117
USB1_DRVVBUS: R52.2 U6.4 X2.125
USB1_N: P12.2 X2.123
USB1_OCn: R50.1 U6.5
USB1_P: P12.3 X2.121
USB1_VBUS: C33.1 C34.2 P12.1 R51.1 U6.6 U6.7 U6.8 X2.127
USBD_N: P5.2 U3.5
USBD_P: P5.3 U3.4
USR0: Q2.2 R33.2
USR1: Q2.5 R34.2
USR2: Q1.5 R32.2
USR3: Q1.2 R31.2
V1_8D: L3.1 X2.17 X2.18
V3_3D: C18.2 C19.1 L4.1 L5.1 P4.4 R2.2 R12.2 R13.2 R14.2 R15.2 R16.2 R17.2 R18.2 SW2.1 X2.13 X2.14
VBAT: R62.2 X2.1 X2.2 X2.3 X2.4 X2.5 X2.6
VCC_CAN: C24.2 C28.1 DA2.5 U4.8
WLAN_EN: DD2.13 X2.235
WLAN_IRQ: DD2.12 X2.233
pads on no net: DA1.2 DA2.3 DA2.6 DA2.7 DA2.8 J3.2 J3.3 J3.6 K1.2 K1.5 K1.6 K1.7 K2.4 K2.5 K2.6 K2.7 MOD1.2 MOD1.3 MOD1.7 MOD1.8 MOD1.9 MOD1.20 MOD1.21 MOD1.22 MOD1.23 MOD1.25 MOD1.28 MOD1.31 MOD1.32 MOD1.33 MOD1.34 MOD1.35 MOD1.36 MOD1.37 MOD1.38 MOD1.39 MOD1.40 MOD1.41 MOD1.42 MOD1.43 MOD1.48 P1.3 P2.0 P3.0 P4.free P5.4 P5.SYSPAD10 P5.SYSPAD11 P9.0 P9.7 P10.0 P10.7 P11.SYSPAD10 P11.SYSPAD11 S1.2 S1.4 S2.2 U2.10 U2.11 U2.12 U2.13 U2.20 U2.22 U2.27 U2.28 U2.29 U2.30 U3.1 U3.2 U3.10 U3.12 U3.13 U3.14 U3.15 U3.16 U3.17 U3.18 U3.19 U3.20 U3.21 U3.22 U3.23 U3.24 U3.27 U3.28 U7.7 U10.1 VD1.3 VD1.4 VT2.3 VT2.4 VT2.5 VT2.6 VT2.7 VT2.10 VT2.11 VT2.12 VT2.13 VT2.14 X1.2 X1.4 X1.6 X2.0 X2.21 X2.22 X2.23 X2.24 X2.26 X2.27 X2.28 X2.29 X2.30 X2.31 X2.32 X2.33 X2.34 X2.35 X2.36 X2.37 X2.38 X2.39 X2.40 X2.41 X2.42 X2.43 X2.44 X2.45 X2.46 X2.47 X2.48 X2.49 X2.50 X2.51 X2.52 X2.53 X2.54 X2.55 X2.56 X2.57 X2.58 X2.59 X2.60 X2.61 X2.62 X2.63 X2.64 X2.66 X2.72 X2.74 X2.96 X2.98 X2.100 X2.102 X2.208 X2.210 X2.214 X2.216 X2.236 X2.238 X2.242 X2.244 X2.NC X3.14 X3.16 X3.28 X4.7 X4.11 X4.13 X4.15 X4.16 X4.18 X4.22 X4.29 X4.31 X4.32 X4.33 X4.35 X4.36 X4.37 X4.38 X4.40 Y1.1 Y2.2 Y2.3
copper on no net:
  other v4: 269.496,447.669
  other v5: 200.696,447.669

## Keep-outs
Keep-Out Layer:
  the board outline again, w0.2

## Text inside footprints (layer, text, board x,y; h text height)
D1: Top Overlay "A" at 151.616,359.083 h1.2 r180
D2: Top Overlay "A" at 287.655,99.441 h1.2 r90
D3: Top Overlay "A" at 291.973,99.441 h1.2 r90
D4: Top Overlay "A" at 296.291,99.441 h1.2 r90
D5: Top Overlay "A" at 300.609,99.441 h1.2 r90
X2: Top Overlay "2" at 202.196,454.169 h1 r180; Top Overlay "259" at 267.946,441.669 h1 r270; Top Overlay "260" at 268.446,456.169 h1 r270; Mechanical 1 "Standart DDR4 SO-DIMM" at 254.616,476.419 h3 r180; Mechanical 1 "AM43x SPIDER" at 249.866,486.919 h3 r180